# KiCad board k410t-devboard.kicad_pcb (continued)
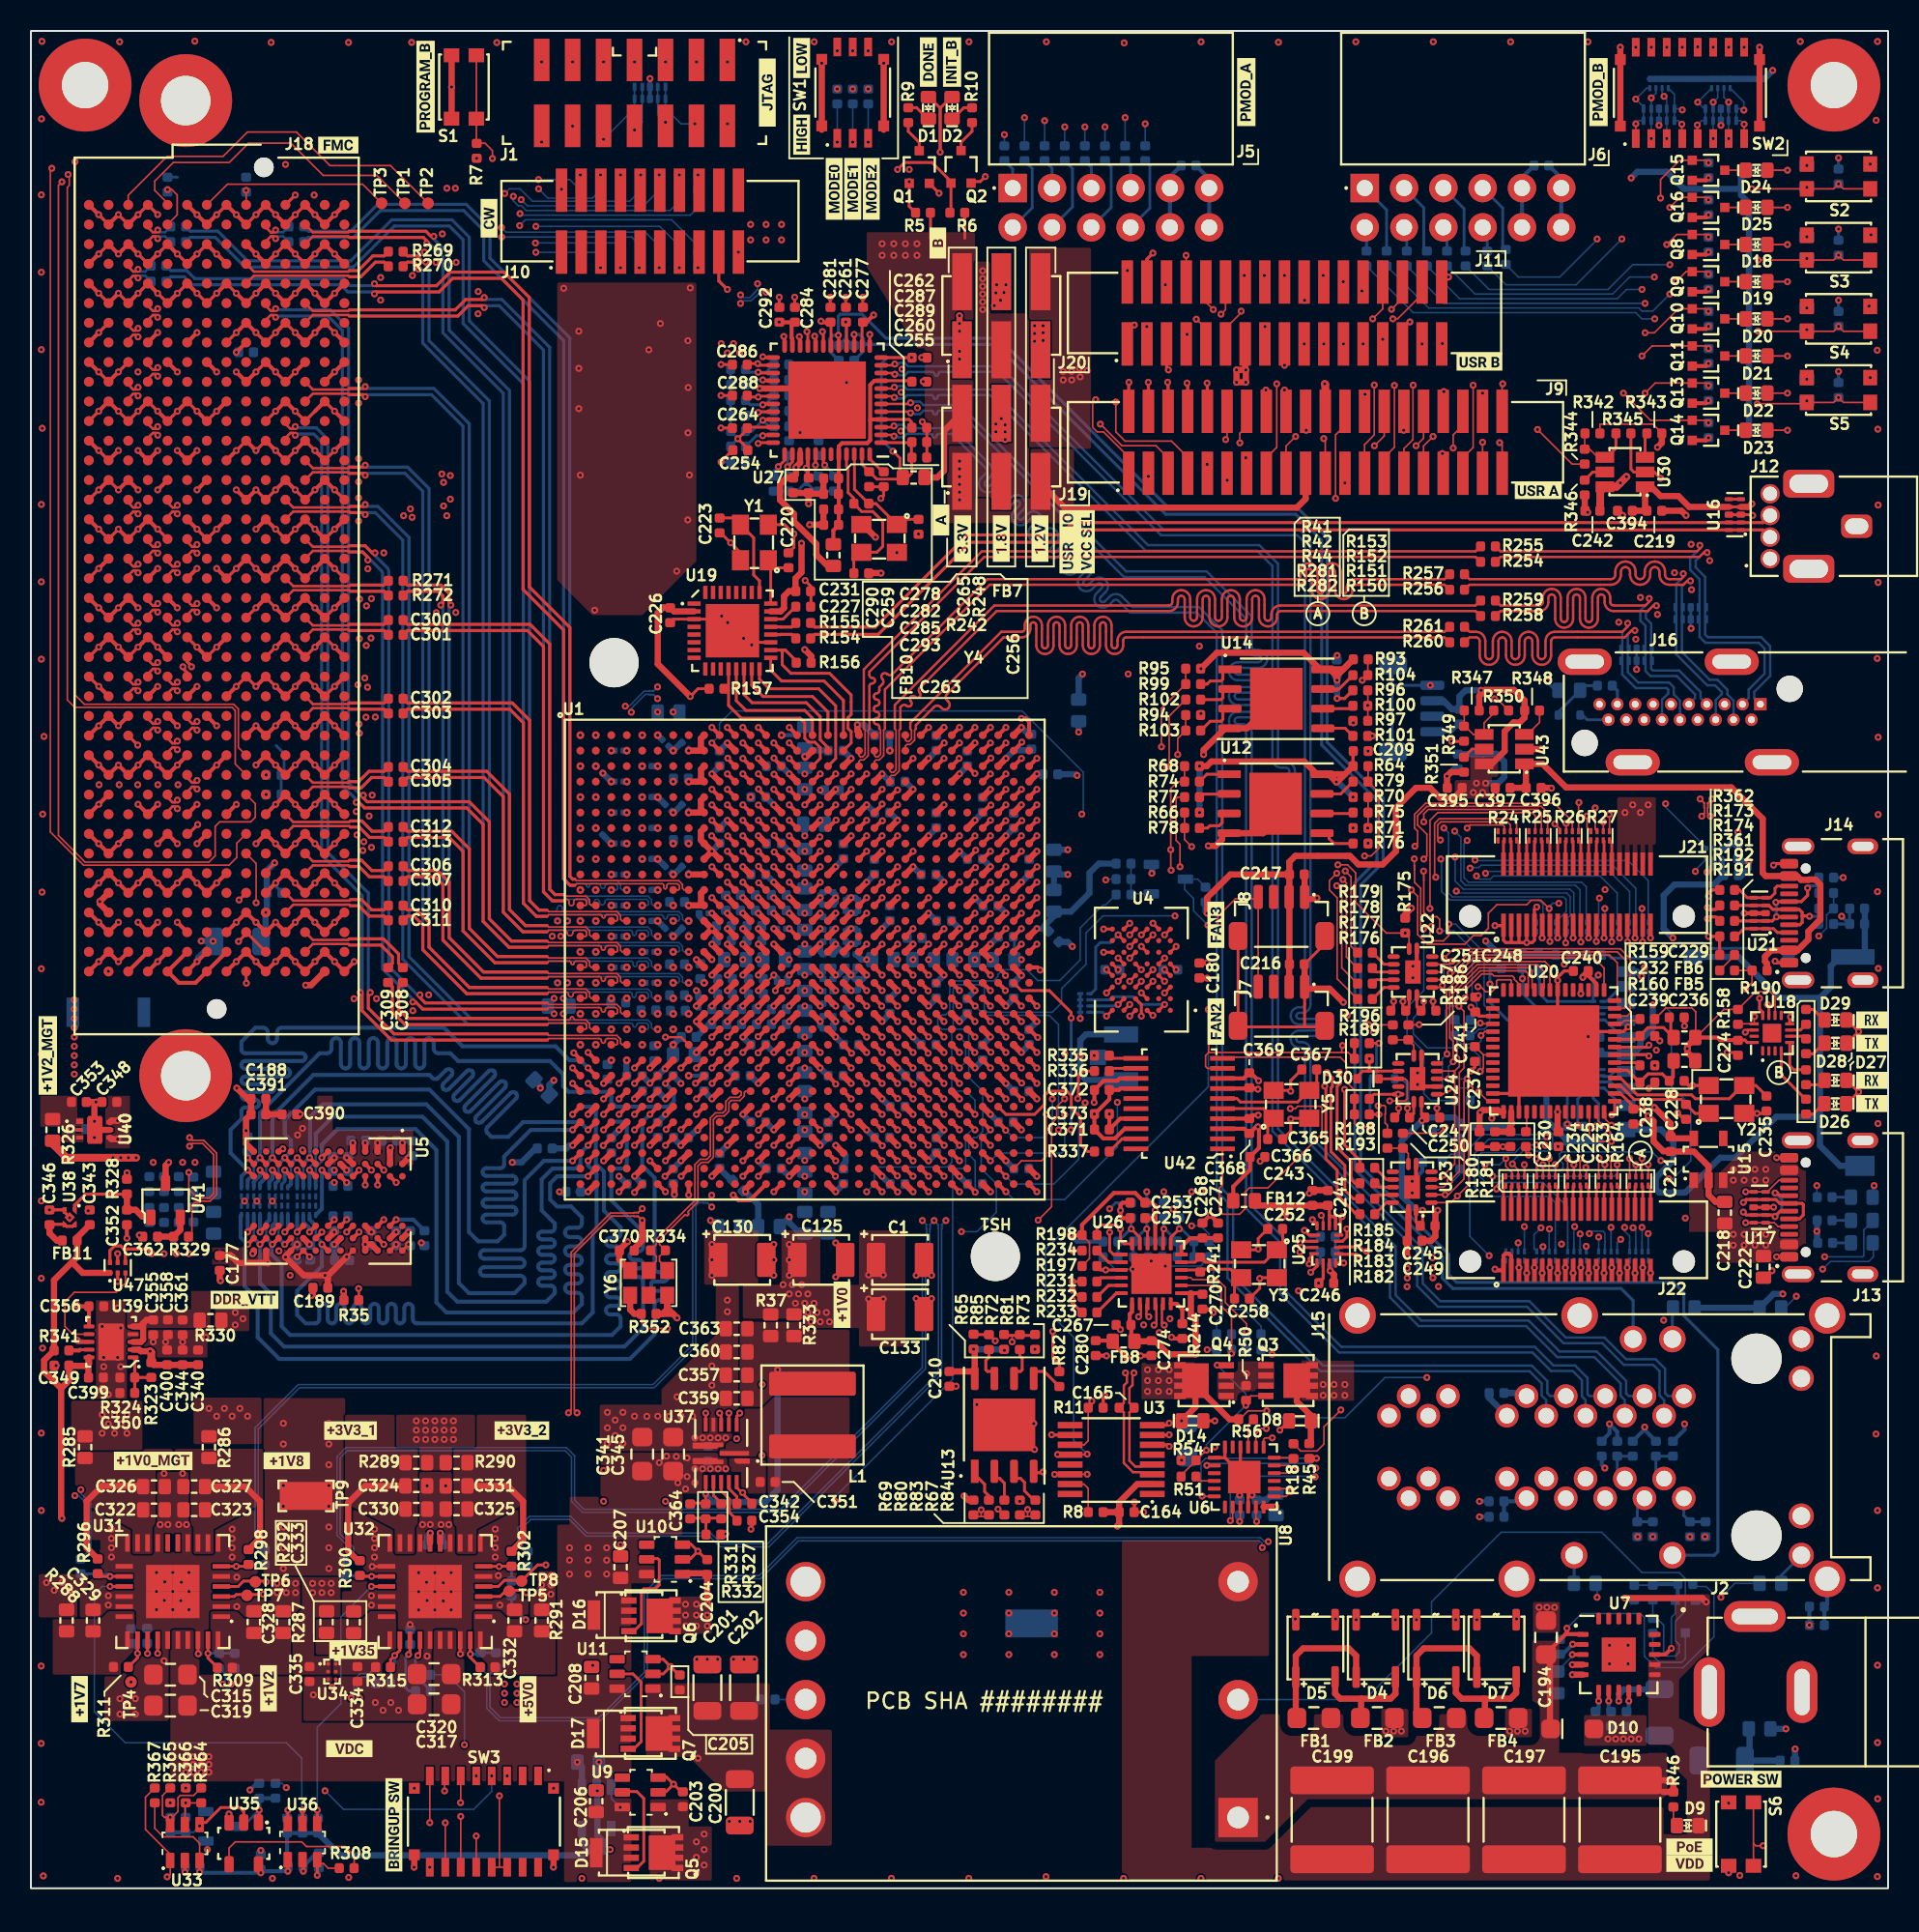
[diagram p0: board, top side]
## Routing (per net, layer and track width the routed paths; a pad name or vN(x,y) marks a point on that pad's centre or on a via; arc(x,y) is an arc through that point) (continued)
/DRAM + SRAM/SRAM.DQ4: length 16.1
  Top w0.184: U4.C6 v1(69.5,57.85)
  Top w0.256: U1.U20 v1(55,58)
  In3.Cu w0.1: v1(69.5,57.85) 68.85,57.85 68.57,58.13 64.53,58.13 64.26,58.4 55.4,58.4 v1(55,58)
/DRAM + SRAM/SRAM.DQ5: length 9.2
  Top w0.184: 70.62,58.97 v1(70.25,58.6)
  Top w0.256: v1(62.97,58.97) 62.97,59.03 U1.T28
  In3.Cu w0.1: v1(70.25,58.6) 69.3,58.6 69,58.9 64.9,58.9 64.3,59.5 63.28,59.5 62.97,59.2 v1(62.97,58.97)
/DRAM + SRAM/SRAM.DQ6: length 8.8
  Top w0.184: 70.62,59.72 v1(70.25,60.1)
  Top w0.256: v1(63,60.97) 62.97,60.97 U1.R28
  In3.Cu w0.1: v1(63,60.97) 63.47,60.5 64.22,60.5 64.62,60.1 v1(70.25,60.1)
/DRAM + SRAM/SRAM.DQ7: length 6.9
  Top w0.184: 69.88,60.47 v1(69.31,60.47)
  Top w0.256: U1.R29 v1(64,61)
  In3.Cu w0.1: v1(69.31,60.47) 69.23,60.39 65.01,60.39 64.4,61 v1(64,61)
/DRAM + SRAM/SRAM.~{CE}: length 11.6
  Top w0.184: 70.62,57.47 v1(70.25,57.1)
  Top w0.256: U1.V27 v1(62,57)
  In5.Cu w0.1: v1(62,57) 62.38,57.38 69.97,57.38 v1(70.25,57.1)
  Bottom w0.184: 68.4,57 70.15,57 v1(70.25,57.1)
/DRAM + SRAM/SRAM.~{OE}: length 26.9
  Top w0.184: U4.A2 v1(73.25,57.1)
  Top w0.256: U1.P26 v1(61,62)
  In3.Cu w0.1: v1(73.25,57.1) 74.38,58.22 74.38,62.91 73.81,63.47 67.81,63.47 67.06,62.72 65.26,62.72 65.13,62.6 62.56,62.6 62.35,62.39 61.39,62.39 v1(61,62)
  Bottom w0.184: 68.4,57.4 69.7,57.4 69.9,57.6 71.2,57.6 71.7,57.1 v1(73.25,57.1)
/DRAM + SRAM/SRAM.~{WE}: length 26.2
  Top w0.184: 70.62,61.22 v1(70.25,61.6)
  Top w0.256: U1.W22 v1(57,56)
  In5.Cu w0.1: v1(70.25,61.6) 70.25,61.97 69.88,62.35 67.25,62.35 65.49,60.59 56.49,60.59 56.38,60.47 56.38,56.62 v1(57,56)
  Bottom w0.184: 68.4,57.8 68.5,57.8 68.8,58.1 68.8,60.8 69.1,61.1 69.75,61.1 v1(70.25,61.6)
/FMC+ HSPC/FMC.CLK_DIR: length 88.6
  Top w0.201: v1(17.08,109.4) J18.B01
  Top w0.256: U1.J19 v1(54,67)
  In7.Cu w0.1: v1(54,67) 54.4,66.6 56,66.6 57.8,68.4 57.8,72.2 58.4,72.8 58.4,77.8 57.8,78.4 57.8,86.5 58.5,87.2 58.5,99.5 54.4,103.6 51.1,103.6 49.5,105.2 49.5,108.5 46.3,111.7 33.5,111.7 32.2,113 20.68,113 v1(17.08,109.4)
/FMC+ HSPC/FMC.IO0: length 38.6
  Top w0.198: v1(10.78,68.72) 10.18,68.12 J18.G33
  Top w0.256: U1.G12 v1(46,69)
  In3.Cu w0.114: v1(10.78,68.72) 21.23,68.72 22,67.95 v1(22,67.25)
  In7.Cu w0.1: v1(22,67.25) 22.83,68.07 43.23,68.07 43.75,68.6 45.6,68.6 v1(46,69)
/FMC+ HSPC/FMC.IO1_N: length 71.3
  Top w0.16: J18.G22 10.1,82.28 10.42,82.6 10.59,82.6 v1(10.73,82.45)
  Top w0.256: U1.K16 v1(51,66)
  In5.Cu w0.1: v1(51,66) 50.6,65.6 49.73,65.6 49.4,65.27 49.4,62.82 49.18,62.6 43.39,62.6 42.89,63.1 33.45,63.1 33.41,63.14
  In5.Cu w0.114: v1(10.73,82.45) 10.6,82.59 10.22,82.59 9.91,82.89 9.91,83.51 10.32,83.92 13.42,83.92 14.05,83.3 14.05,74.85 arc(14.13,74.65) 14.33,74.57 14.86,74.57 arc(15.27,74.4) 15.43,74 arc(15.27,73.6) 14.86,73.43 12.85,73.43 arc(12.65,73.35) 12.56,73.15 arc(12.65,72.95) 12.85,72.87 13.48,72.87 arc(13.88,72.7) 14.05,72.3 14.05,65.64 16.55,63.14 33.41,63.14
/FMC+ HSPC/FMC.IO1_P: length 70.3
  Top w0.16: J18.G21 10.1,83.18 10.42,82.86 10.59,82.86 v1(10.73,83.01)
  Top w0.256: U1.L16 v1(51,65)
  In5.Cu w0.1: 33.41,62.86 33.45,62.9 42.81,62.9 43.31,62.4 49.27,62.4 49.6,62.73 49.6,65.18 49.82,65.4 50.6,65.4 v1(51,65)
  In5.Cu w0.114: 33.41,62.86 16.43,62.86 13.76,65.53 13.76,72.3 arc(13.68,72.5) 13.48,72.58 12.85,72.58 arc(12.44,72.75) 12.28,73.15 arc(12.44,73.55) 12.85,73.72 14.86,73.72 arc(15.06,73.8) 15.15,74 arc(15.06,74.2) 14.86,74.28 14.33,74.28 arc(13.93,74.45) 13.76,74.85 13.76,83.18 13.3,83.64 10.44,83.64 10.19,83.39 10.19,83.01 10.33,82.87 10.6,82.87 v1(10.73,83.01)
/FMC+ HSPC/FMC.IO2_N: length 71
  Top w0.16: J18.G19 10.1,86.09 10.42,86.41 10.59,86.41 v1(10.73,86.26)
  Top w0.256: U1.K15 v1(49,66)
  In5.Cu w0.1: v1(49,66) 48.6,65.6 45.76,65.6 45.4,65.24 45.4,64.82 45.18,64.6 43.44,64.6 42.94,65.1 33.45,65.1 33.41,65.14
  In5.Cu w0.114: v1(10.73,86.26) 10.6,86.4 10.23,86.4 9.93,86.7 9.93,88.03 10.49,88.59 17.31,88.59 17.86,88.04 17.86,65.99 18.16,65.69 20.16,65.69 20.71,65.14 20.94,65.14 arc(21.09,65.2) 21.15,65.35 21.15,65.93 arc(21.29,66.28) 21.64,66.43 arc(21.99,66.28) 22.14,65.93 22.14,65.35 arc(22.2,65.2) 22.34,65.14 arc(22.49,65.2) 22.55,65.35 22.55,65.93 arc(22.69,66.28) 23.04,66.43 arc(23.39,66.28) 23.54,65.93 23.54,65.35 arc(23.6,65.2) 23.74,65.14 33.41,65.14
/FMC+ HSPC/FMC.IO2_P: length 70.9
  Top w0.16: 10.1,87.17 10.1,86.99 10.42,86.67 10.59,86.67 v1(10.73,86.82)
  Top w0.256: U1.L15 v1(49,65)
  In5.Cu w0.1: 33.41,64.86 33.45,64.9 42.86,64.9 43.36,64.4 45.27,64.4 45.6,64.73 45.6,65.16 45.84,65.4 48.6,65.4 v1(49,65)
  In5.Cu w0.114: 33.41,64.86 23.74,64.86 arc(23.39,65) 23.25,65.35 23.25,65.93 arc(23.19,66.08) 23.04,66.14 arc(22.9,66.08) 22.84,65.93 22.84,65.35 arc(22.69,65) 22.34,64.86 arc(21.99,65) 21.85,65.35 21.85,65.93 arc(21.79,66.08) 21.64,66.14 arc(21.5,66.08) 21.44,65.93 21.44,65.35 arc(21.29,65) 20.94,64.86 20.59,64.86 20.04,65.41 18.04,65.41 17.57,65.88 17.57,87.93 17.19,88.31 11.73,88.31 arc(11.59,88.25) 11.53,88.11 11.53,87.87 arc(11.47,87.73) 11.33,87.67 arc(11.19,87.73) 11.13,87.87 11.13,88.11 arc(11.07,88.25) 10.93,88.31 10.61,88.31 10.21,87.91 10.21,86.82 10.35,86.68 10.6,86.68 v1(10.73,86.82)
/FMC+ HSPC/FMC.IO3_N: length 69.5
  Top w0.16: 8.83,84.63 8.83,84.82 9.15,85.14 9.32,85.14 v1(9.46,84.99)
  Top w0.256: U1.L13 47.04,64.96 v1(47.03,64.96)
  In5.Cu w0.1: 33.41,63.86 33.45,63.9 42.81,63.9 43.31,63.4 46.27,63.4 46.6,63.73 46.6,64.6 47,65
  In5.Cu w0.114: v1(9.46,84.99) 9.59,85.13 9.82,85.13 10.44,84.51 15.1,84.51 16.3,83.31 16.3,82.31 arc(16.23,82.15) 16.07,82.08 14.98,82.08 arc(14.61,81.93) 14.46,81.56 arc(14.61,81.19) 14.98,81.04 16.07,81.04 arc(16.23,80.98) 16.3,80.81 16.3,79.79 arc(16.23,79.62) 16.07,79.56 14.98,79.56 arc(14.61,79.41) 14.46,79.04 arc(14.61,78.67) 14.98,78.52 16.07,78.52 arc(16.23,78.45) 16.3,78.29 16.3,77.29 arc(16.23,77.12) 16.07,77.06 15.1,77.06 arc(14.73,76.91) 14.58,76.54 arc(14.73,76.17) 15.1,76.02 16.07,76.02 arc(16.23,75.95) 16.3,75.79 16.3,64.38 16.83,63.86 33.41,63.86
/FMC+ HSPC/FMC.IO3_P: length 69.4
  Top w0.16: 8.83,85.9 8.83,85.72 9.15,85.4 9.32,85.4 v1(9.46,85.55)
  Top w0.256: U1.L12 v1(46,65)
  In5.Cu w0.1: 33.41,64.14 33.45,64.1 42.89,64.1 43.39,63.6 46.18,63.6 46.4,63.82 46.4,64.6 v1(46,65)
  In5.Cu w0.114: 33.41,64.14 16.95,64.14 16.59,64.5 16.59,75.79 arc(16.44,76.16) 16.07,76.31 15.1,76.31 arc(14.93,76.37) 14.86,76.54 arc(14.93,76.7) 15.1,76.77 16.07,76.77 arc(16.44,76.92) 16.59,77.29 16.59,78.29 arc(16.44,78.66) 16.07,78.81 14.98,78.81 arc(14.81,78.87) 14.75,79.04 arc(14.81,79.2) 14.98,79.27 16.07,79.27 arc(16.44,79.42) 16.59,79.79 16.59,80.81 arc(16.44,81.18) 16.07,81.33 14.98,81.33 arc(14.81,81.4) 14.75,81.56 arc(14.81,81.73) 14.98,81.79 16.07,81.79 arc(16.44,81.94) 16.59,82.31 16.59,83.42 15.22,84.79 11.65,84.79 arc(11.56,84.83) 11.52,84.92 arc(11.48,85.01) 11.4,85.04 arc(11.31,85.01) 11.27,84.92 arc(11.23,84.83) 11.15,84.79 10.56,84.79 9.94,85.41 9.59,85.41 v1(9.46,85.55)
/FMC+ HSPC/FMC.IO4_N: length 70.5
  Top w0.16: v1(9.46,88.8) 9.32,88.95 9.15,88.95 8.83,88.63 8.83,88.44
  Top w0.256: U1.J13 v1(47,67)
  In5.Cu w0.1: v1(47,67) 47.42,66.58 48.22,66.58 48.4,66.76 48.4,71.16 48.16,71.4 47.76,71.4 47.4,71.76 47.4,76.55 47.36,76.59
  In5.Cu w0.114: 47.36,76.59 47.36,78.42 32.69,93.09 30.37,93.09 arc(30.02,93.23) 29.88,93.58 29.88,93.9 arc(29.82,94.04) 29.67,94.1 arc(29.53,94.04) 29.47,93.9 29.47,93.58 arc(29.32,93.23) 28.97,93.09 arc(28.62,93.23) 28.48,93.58 28.48,93.9 arc(28.42,94.04) 28.27,94.1 arc(28.13,94.04) 28.07,93.9 28.07,93.58 arc(27.92,93.23) 27.57,93.09 arc(27.22,93.23) 27.08,93.58 27.08,93.9 arc(27.02,94.04) 26.87,94.1 arc(26.73,94.04) 26.67,93.9 26.67,93.58 arc(26.52,93.23) 26.17,93.09 arc(25.82,93.23) 25.68,93.58 25.68,93.9 arc(25.62,94.04) 25.47,94.1 arc(25.33,94.04) 25.27,93.9 25.27,93.58 arc(25.12,93.23) 24.77,93.09 arc(24.42,93.23) 24.28,93.58 24.28,93.9 arc(24.22,94.04) 24.07,94.1 arc(23.93,94.04) 23.87,93.9 23.87,93.58 arc(23.72,93.23) 23.37,93.09 arc(23.02,93.23) 22.88,93.58 22.88,93.9 arc(22.82,94.04) 22.67,94.1 arc(22.53,94.04) 22.47,93.9 22.47,93.58 arc(22.32,93.23) 21.97,93.09 21.09,93.09 18.86,90.86 12.79,90.86 11.75,89.82 arc(11.7,89.7) 11.75,89.57 11.77,89.56 arc(11.82,89.43) 11.77,89.31 arc(11.64,89.26) 11.52,89.31 11.51,89.33 arc(11.38,89.38) 11.26,89.33 10.87,88.94 9.59,88.94 v1(9.46,88.8)
/FMC+ HSPC/FMC.IO4_P: length 70.8
  Top w0.16: v1(9.46,89.36) 9.32,89.21 9.15,89.21 8.83,89.53 8.83,89.71
  Top w0.256: v1(47.02,66.02) 47.02,65.98 U1.K13
  In5.Cu w0.1: 47,66 47.38,66.38 48.3,66.38 48.6,66.68 48.6,71.24 48.24,71.6 47.84,71.6 47.6,71.84 47.6,76.55 47.64,76.59
  In5.Cu w0.114: 47.64,76.59 47.64,78.53 32.8,93.37 30.37,93.37 arc(30.23,93.43) 30.17,93.58 30.17,93.9 arc(30.02,94.25) 29.67,94.39 arc(29.32,94.25) 29.18,93.9 29.18,93.58 arc(29.12,93.43) 28.97,93.37 arc(28.83,93.43) 28.77,93.58 28.77,93.9 arc(28.62,94.25) 28.27,94.39 arc(27.92,94.25) 27.78,93.9 27.78,93.58 arc(27.72,93.43) 27.57,93.37 arc(27.43,93.43) 27.37,93.58 27.37,93.9 arc(27.22,94.25) 26.87,94.39 arc(26.52,94.25) 26.38,93.9 26.38,93.58 arc(26.32,93.43) 26.17,93.37 arc(26.03,93.43) 25.97,93.58 25.97,93.9 arc(25.82,94.25) 25.47,94.39 arc(25.12,94.25) 24.98,93.9 24.98,93.58 arc(24.92,93.43) 24.77,93.37 arc(24.63,93.43) 24.57,93.58 24.57,93.9 arc(24.42,94.25) 24.07,94.39 arc(23.72,94.25) 23.58,93.9 23.58,93.58 arc(23.52,93.43) 23.37,93.37 arc(23.23,93.43) 23.17,93.58 23.17,93.9 arc(23.02,94.25) 22.67,94.39 arc(22.32,94.25) 22.18,93.9 22.18,93.58 arc(22.12,93.43) 21.97,93.37 20.97,93.37 18.74,91.14 12.67,91.14 10.75,89.22 9.59,89.22 v1(9.46,89.36)
/FMC+ HSPC/FMC.IO5_N: length 70.3
  Top w0.16: v1(8.19,86.26) 8.05,86.41 7.88,86.41 7.56,86.09 7.56,85.9
  Top w0.256: U1.J14 48.04,66.95 v1(48.03,66.95)
  In7.Cu w0.1: 33.41,67.14 33.45,67.1 43.16,67.1 43.66,67.6 46.27,67.6 46.6,67.27 46.6,66.82 46.82,66.6 47.6,66.6 48,67
  In7.Cu w0.114: 33.41,67.14 23.29,67.14 22.59,66.44 19.46,66.44 19.13,66.77 19.13,88.02 18.56,88.59 13.8,88.59 arc(13.47,88.46) 13.34,88.13 13.34,87.98 arc(13.29,87.86) 13.16,87.81 13.15,87.81 arc(13.03,87.86) 12.98,87.98 12.98,88.45 12.97,88.45 12.97,88.92 arc(12.84,89.24) 12.51,89.38 12.5,89.38 arc(12.17,89.24) 12.03,88.92 12.03,88.77 arc(11.98,88.65) 11.86,88.59 9.94,88.59 9.7,88.35 8.7,88.35 8.46,88.59 7.94,88.59 7.4,88.05 7.4,86.75 7.75,86.4 8.06,86.4 v1(8.19,86.26)
/FMC+ HSPC/FMC.IO5_P: length 70.6
  Top w0.16: v1(8.19,86.82) 8.05,86.67 7.88,86.67 7.56,86.99 7.56,87.17
  Top w0.256: U1.K14 v1(48,66)
  In7.Cu w0.1: v1(48,66) 47.6,66.4 46.73,66.4 46.4,66.73 46.4,67.18 46.18,67.4 43.74,67.4 43.24,66.9 33.45,66.9 33.41,66.86
  In7.Cu w0.114: 33.41,66.86 23.41,66.86 22.71,66.16 19.34,66.16 18.84,66.66 18.84,87.91 18.44,88.31 13.8,88.31 arc(13.68,88.25) 13.63,88.13 13.63,87.98 arc(13.49,87.66) 13.16,87.52 13.15,87.52 arc(12.82,87.66) 12.69,87.98 12.69,88.45 12.68,88.45 12.68,88.92 arc(12.63,89.04) 12.51,89.09 12.5,89.09 arc(12.37,89.04) 12.32,88.92 12.32,88.77 arc(12.19,88.44) 11.86,88.31 10.06,88.31 9.82,88.06 9.68,88.06 arc(9.49,87.98) 9.41,87.79 9.41,87.5 arc(9.33,87.3) 9.13,87.22 arc(8.94,87.3) 8.86,87.5 8.86,87.79 arc(8.78,87.98) 8.58,88.06 8.34,88.31 8.06,88.31 7.68,87.93 7.68,86.87 7.87,86.68 8.06,86.68 v1(8.19,86.82)
/FMC+ HSPC/FMC.IO6_N: length 66.3
  Top w0.198: J18.G25 10.1,78.54 9.82,78.82 v1(9.82,78.92)
  Top w0.256: U1.K11 v1(45,66)
  In7.Cu w0.1: v1(45,66) 44.6,65.6 43.68,65.6 43.18,66.1 33.45,66.1 33.41,66.14
  In7.Cu w0.114: v1(9.82,78.92) 9.95,79.05 9.95,79.38 10.27,79.7 13.58,79.7 14.02,79.26 14.02,77.32 arc(14.07,77.19) 14.2,77.14 14.69,77.14 arc(15.02,77) 15.16,76.67 arc(15.02,76.34) 14.69,76.2 13.06,76.2 arc(12.93,76.15) 12.87,76.02 arc(12.93,75.89) 13.06,75.84 13.55,75.84 arc(13.88,75.7) 14.02,75.37 14.02,74.78 arc(14.08,74.64) 14.22,74.58 14.97,74.58 arc(15.32,74.43) 15.46,74.08 arc(15.32,73.73) 14.97,73.59 14.22,73.59 arc(14.08,73.53) 14.02,73.38 14.02,69.62 arc(14.08,69.47) 14.22,69.41 16.52,69.41 arc(16.87,69.27) 17.01,68.92 arc(16.87,68.57) 16.52,68.42 14.22,68.42 arc(14.08,68.36) 14.02,68.22 14.02,66.54 14.81,65.74 16.06,65.74 arc(16.18,65.8) 16.24,65.92 16.24,66.55 arc(16.38,66.88) 16.71,67.02 arc(17.04,66.88) 17.18,66.55 17.18,65.92 arc(17.23,65.8) 17.36,65.74 arc(17.48,65.8) 17.54,65.92 17.54,66.55 arc(17.68,66.88) 18.01,67.02 arc(18.34,66.88) 18.48,66.55 18.48,65.92 arc(18.53,65.8) 18.66,65.74 23.29,65.74 23.69,66.14 33.41,66.14
/FMC+ HSPC/FMC.IO6_P: length 67.1
  Top w0.198: J18.G24 10.1,79.24 10.37,78.97 v1(10.37,78.92)
  Top w0.256: U1.L11 v1(45,65)
  In7.Cu w0.1: v1(45,65) 44.6,65.4 43.59,65.4 43.09,65.9 33.45,65.9 33.41,65.86
  In7.Cu w0.114: 33.41,65.86 23.81,65.86 23.41,65.46 18.66,65.46 arc(18.33,65.59) 18.19,65.92 18.19,66.55 arc(18.13,66.68) 18.01,66.73 arc(17.88,66.68) 17.83,66.55 17.83,65.92 arc(17.69,65.59) 17.36,65.46 arc(17.03,65.59) 16.89,65.92 16.89,66.55 arc(16.83,66.68) 16.71,66.73 arc(16.58,66.68) 16.53,66.55 16.53,65.92 arc(16.39,65.59) 16.06,65.46 14.69,65.46 13.73,66.42 13.73,68.22 arc(13.88,68.57) 14.22,68.71 16.52,68.71 arc(16.66,68.77) 16.72,68.92 arc(16.66,69.06) 16.52,69.12 14.22,69.12 arc(13.88,69.27) 13.73,69.62 13.73,73.38 arc(13.88,73.73) 14.22,73.88 14.97,73.88 arc(15.11,73.94) 15.17,74.08 arc(15.11,74.23) 14.97,74.29 14.22,74.29 arc(13.88,74.43) 13.73,74.78 13.73,75.37 arc(13.68,75.5) 13.55,75.55 13.06,75.55 arc(12.72,75.69) 12.59,76.02 arc(12.72,76.35) 13.06,76.49 14.69,76.49 arc(14.82,76.54) 14.87,76.67 arc(14.82,76.8) 14.69,76.85 14.2,76.85 arc(13.87,76.99) 13.73,77.32 13.73,79.15 13.47,79.41 12.1,79.41 arc(11.89,79.32) 11.8,79.11 11.8,78.83 arc(11.71,78.61) 11.5,78.53 arc(11.29,78.61) 11.2,78.83 11.2,79.11 arc(11.11,79.32) 10.9,79.41 10.39,79.41 10.24,79.26 10.24,79.05 v1(10.37,78.92)
/FMC+ HSPC/FMC.IO7_N: length 72.8
  Top w0.16: v1(9.46,73.56) 9.32,73.71 9.15,73.71 8.83,73.39 8.83,73.2
  Top w0.256: U1.G15 v1(49,69)
  In5.Cu w0.1: v1(49,69) 49.4,68.6 53.24,68.6 53.6,68.24 53.6,60.76 53.24,60.4 43.26,60.4 42.76,60.9 33.45,60.9 33.41,60.86
  In5.Cu w0.114: v1(9.46,73.56) 9.59,73.7 10.28,73.7 10.62,73.36 10.62,72.75 9.96,72.09 9.96,66.86 arc(9.9,66.71) 9.75,66.65 9.31,66.65 arc(8.96,66.51) 8.82,66.16 arc(8.96,65.81) 9.31,65.66 9.75,65.66 arc(9.9,65.6) 9.96,65.46 9.96,63.54 13.14,60.36 32,60.36 32.49,60.86 33.41,60.86
/FMC+ HSPC/FMC.IO7_P: length 72.7
  Top w0.16: 8.83,74.47 8.83,74.29 9.15,73.97 9.32,73.97 v1(9.46,74.12)
  Top w0.256: U1.H15 v1(49,68)
  In5.Cu w0.1: 33.41,61.14 33.45,61.1 42.84,61.1 43.34,60.6 53.16,60.6 53.4,60.84 53.4,68.16 53.16,68.4 49.4,68.4 v1(49,68)
  In5.Cu w0.114: 33.41,61.14 32.37,61.14 31.88,60.65 13.25,60.65 10.24,63.66 10.24,65.46 arc(10.1,65.81) 9.75,65.95 9.31,65.95 arc(9.17,66.01) 9.11,66.16 arc(9.17,66.3) 9.31,66.36 9.75,66.36 arc(10.1,66.51) 10.24,66.86 10.24,71.97 10.9,72.63 10.9,73.47 10.81,73.57 arc(10.77,73.67) 10.81,73.76 10.89,73.85 arc(10.93,73.94) 10.89,74.03 arc(10.8,74.07) 10.71,74.03 10.62,73.95 arc(10.53,73.91) 10.43,73.95 10.39,73.98 9.59,73.98 v1(9.46,74.12)
/FMC+ HSPC/FMC.IO8_N: length 68
  Top w0.16: v1(10.73,74.83) 10.59,74.98 10.42,74.98 10.1,74.66 J18.G28
  Top w0.256: U1.J12 v1(46,67)
  In7.Cu w0.1: 33.44,64.86 33.48,64.9 43.12,64.9 43.62,64.39 45.27,64.39 45.6,64.73 45.6,66.6 v1(46,67)
  In7.Cu w0.114: 33.44,64.86 32.27,64.86 31.58,64.17 24.94,64.17 arc(24.81,64.12) 24.76,63.99 24.76,63.51 arc(24.62,63.18) 24.29,63.05 arc(23.96,63.18) 23.82,63.51 23.82,63.99 arc(23.77,64.12) 23.64,64.17 arc(23.51,64.12) 23.46,63.99 23.46,63.51 arc(23.32,63.18) 22.99,63.05 arc(22.66,63.18) 22.52,63.51 22.52,63.99 arc(22.47,64.12) 22.34,64.17 arc(22.21,64.12) 22.16,63.99 22.16,63.51 arc(22.02,63.18) 21.69,63.05 arc(21.36,63.18) 21.22,63.51 21.22,63.99 arc(21.17,64.12) 21.04,64.17 arc(20.91,64.12) 20.86,63.99 20.86,63.51 arc(20.72,63.18) 20.39,63.05 arc(20.06,63.18) 19.92,63.51 19.92,63.99 arc(19.87,64.12) 19.74,64.17 arc(19.61,64.12) 19.56,63.99 19.56,63.51 arc(19.42,63.18) 19.09,63.05 arc(18.76,63.18) 18.62,63.51 18.62,63.99 arc(18.57,64.12) 18.44,64.17 arc(18.31,64.12) 18.26,63.99 18.26,63.51 arc(18.12,63.18) 17.79,63.05 arc(17.46,63.18) 17.32,63.51 17.32,63.99 arc(17.27,64.12) 17.14,64.17 arc(17.01,64.12) 16.96,63.99 16.96,63.51 arc(16.82,63.18) 16.49,63.05 arc(16.16,63.18) 16.02,63.51 16.02,63.99 arc(15.97,64.12) 15.84,64.17 13.85,64.17 12.49,65.53 12.49,68.18 arc(12.44,68.31) 12.31,68.36 11.67,68.36 arc(11.34,68.5) 11.2,68.83 arc(11.34,69.16) 11.67,69.3 12.31,69.3 arc(12.44,69.35) 12.49,69.48 arc(12.44,69.61) 12.31,69.66 11.62,69.66 arc(11.29,69.8) 11.15,70.13 arc(11.29,70.46) 11.62,70.6 12.31,70.6 arc(12.44,70.65) 12.49,70.78 arc(12.44,70.91) 12.31,70.96 11.62,70.96 arc(11.29,71.1) 11.15,71.43 arc(11.29,71.76) 11.62,71.9 12.31,71.9 arc(12.44,71.95) 12.49,72.08 12.49,73.61 12.11,73.98 arc(11.92,74.06) 11.73,73.98 11.64,73.9 arc(11.45,73.82) 11.25,73.9 arc(11.17,74.09) 11.25,74.28 11.34,74.37 arc(11.42,74.57) 11.34,74.76 11.13,74.97 10.86,74.97 v1(10.73,74.83)
/FMC+ HSPC/FMC.IO8_P: length 66.8
  Top w0.16: 10.1,75.74 10.1,75.56 10.42,75.24 10.59,75.24 v1(10.73,75.39)
  Top w0.256: U1.J11 v1(45,67)
  In7.Cu w0.1: 33.44,65.15 33.49,65.1 43.2,65.1 43.71,64.59 45.18,64.59 45.4,64.81 45.4,66.6 v1(45,67)
  In7.Cu w0.114: v1(10.73,75.39) 10.86,75.25 11.25,75.25 12.78,73.72 12.78,72.08 arc(12.64,71.75) 12.31,71.61 11.62,71.61 arc(11.49,71.56) 11.44,71.43 arc(11.49,71.3) 11.62,71.25 12.31,71.25 arc(12.64,71.11) 12.78,70.78 arc(12.64,70.45) 12.31,70.31 11.62,70.31 arc(11.49,70.26) 11.44,70.13 arc(11.49,70) 11.62,69.95 12.31,69.95 arc(12.64,69.81) 12.78,69.48 arc(12.64,69.15) 12.31,69.01 11.67,69.01 arc(11.54,68.96) 11.49,68.83 arc(11.54,68.7) 11.67,68.65 12.31,68.65 arc(12.64,68.51) 12.78,68.18 12.78,65.64 13.96,64.46 15.84,64.46 arc(16.17,64.32) 16.31,63.99 16.31,63.51 arc(16.36,63.39) 16.49,63.33 arc(16.62,63.39) 16.67,63.51 16.67,63.99 arc(16.81,64.32) 17.14,64.46 arc(17.47,64.32) 17.61,63.99 17.61,63.51 arc(17.66,63.39) 17.79,63.33 arc(17.92,63.39) 17.97,63.51 17.97,63.99 arc(18.11,64.32) 18.44,64.46 arc(18.77,64.32) 18.91,63.99 18.91,63.51 arc(18.96,63.39) 19.09,63.33 arc(19.22,63.39) 19.27,63.51 19.27,63.99 arc(19.41,64.32) 19.74,64.46 arc(20.07,64.32) 20.21,63.99 20.21,63.51 arc(20.26,63.39) 20.39,63.33 arc(20.52,63.39) 20.57,63.51 20.57,63.99 arc(20.71,64.32) 21.04,64.46 arc(21.37,64.32) 21.51,63.99 21.51,63.51 arc(21.56,63.39) 21.69,63.33 arc(21.82,63.39) 21.87,63.51 21.87,63.99 arc(22.01,64.32) 22.34,64.46 arc(22.67,64.32) 22.81,63.99 22.81,63.51 arc(22.86,63.39) 22.99,63.33 arc(23.12,63.39) 23.17,63.51 23.17,63.99 arc(23.31,64.32) 23.64,64.46 arc(23.97,64.32) 24.11,63.99 24.11,63.51 arc(24.16,63.39) 24.29,63.33 arc(24.42,63.39) 24.47,63.51 24.47,63.99 arc(24.61,64.32) 24.94,64.46 31.46,64.46 32.15,65.15 33.44,65.15
/FMC+ HSPC/FMC.IO9_N: length 69.9
  Top w0.16: v1(10.73,71.02) 10.59,71.17 10.42,71.17 10.1,70.85 10.1,70.66
  Top w0.256: U1.H16 50.93,67.93 v1(50.98,67.93)
  In5.Cu w0.1: 33.41,61.86 33.45,61.9 42.83,61.9 43.33,61.4 52.34,61.4 52.6,61.66 52.6,67.27 52.27,67.6 51.4,67.6 51,68
  In5.Cu w0.114: 33.41,61.86 31.08,61.86 30.86,61.63 13.02,61.63 12.49,62.16 12.49,63.19 arc(12.43,63.34) 12.29,63.4 11.47,63.4 arc(11.12,63.54) 10.98,63.89 arc(11.12,64.24) 11.47,64.38 12.29,64.38 arc(12.43,64.45) 12.49,64.59 12.49,65.49 arc(12.42,65.66) 12.26,65.72 11.27,65.72 arc(10.9,65.87) 10.75,66.24 arc(10.9,66.61) 11.27,66.76 12.26,66.76 arc(12.42,66.83) 12.49,66.99 12.49,67.71 arc(12.43,67.85) 12.29,67.91 11.64,67.91 arc(11.29,68.06) 11.15,68.41 arc(11.29,68.76) 11.64,68.9 12.29,68.9 arc(12.43,68.96) 12.49,69.11 arc(12.43,69.25) 12.29,69.31 11.64,69.31 arc(11.29,69.46) 11.15,69.81 arc(11.29,70.16) 11.64,70.3 12.29,70.3 arc(12.43,70.36) 12.49,70.51 12.49,70.74 12.08,71.16 10.86,71.16 v1(10.73,71.02)
/FMC+ HSPC/FMC.IO9_P: length 70
  Top w0.16: J18.G30 10.1,71.75 10.42,71.43 10.59,71.43 v1(10.73,71.58)
  Top w0.256: U1.J16 v1(51,67)
  In5.Cu w0.1: v1(51,67) 51.4,67.4 52.18,67.4 52.4,67.18 52.4,61.74 52.26,61.6 43.42,61.6 42.92,62.1 33.45,62.1 33.41,62.14
  In5.Cu w0.114: v1(10.73,71.58) 10.86,71.44 11.17,71.44 arc(11.26,71.48) 11.3,71.58 11.3,71.77 arc(11.34,71.87) 11.43,71.91 arc(11.52,71.87) 11.56,71.77 11.56,71.58 arc(11.6,71.48) 11.7,71.44 12.19,71.44 12.78,70.86 12.78,70.51 arc(12.63,70.16) 12.29,70.01 11.64,70.01 arc(11.5,69.95) 11.44,69.81 arc(11.5,69.66) 11.64,69.6 12.29,69.6 arc(12.63,69.46) 12.78,69.11 arc(12.63,68.76) 12.29,68.61 11.64,68.61 arc(11.5,68.55) 11.44,68.41 arc(11.5,68.26) 11.64,68.2 12.29,68.2 arc(12.63,68.06) 12.78,67.71 12.78,66.99 arc(12.63,66.62) 12.26,66.47 11.27,66.47 arc(11.1,66.41) 11.04,66.24 arc(11.1,66.08) 11.27,66.01 12.26,66.01 arc(12.63,65.86) 12.78,65.49 12.78,64.59 arc(12.63,64.24) 12.29,64.1 11.47,64.1 arc(11.32,64.04) 11.26,63.89 arc(11.32,63.75) 11.47,63.68 12.29,63.68 arc(12.63,63.54) 12.78,63.19 12.78,62.27 13.13,61.92 30.74,61.92 30.96,62.14 33.41,62.14
/FMC+ HSPC/FMC.IO10_N: length 68.4
  Top w0.16: v1(9.46,77.37) 9.32,77.52 9.15,77.52 8.83,77.2 8.83,77.01
  Top w0.256: U1.H12 v1(46,68)
  In3.Cu w0.114: v1(21.2,75.22) 21.2,75.46 20.16,76.51 20.16,77.74 19.75,78.15 10.54,78.15 9.9,77.51 9.59,77.51 v1(9.46,77.37)
  In5.Cu w0.1: v1(46,68) 45.6,67.6 45.6,66.73 45.27,66.4 43.53,66.4 43.03,66.9 33.45,66.9 33.41,66.86
  In5.Cu w0.114: v1(21.2,75.22) 21.44,75.22 22.56,74.11 22.56,73.94 arc(22.5,73.82) 22.38,73.76 21.88,73.76 arc(21.55,73.62) 21.41,73.29 arc(21.55,72.96) 21.88,72.82 22.38,72.82 arc(22.5,72.77) 22.56,72.64 arc(22.5,72.52) 22.38,72.46 21.88,72.46 arc(21.55,72.32) 21.41,71.99 arc(21.55,71.66) 21.88,71.52 22.38,71.52 arc(22.5,71.47) 22.56,71.34 22.56,67.26 22.96,66.86 23.66,66.86 arc(23.78,66.8) 23.84,66.67 23.84,65.95 arc(23.98,65.62) 24.31,65.48 arc(24.64,65.62) 24.78,65.95 24.78,66.67 arc(24.83,66.8) 24.96,66.86 arc(25.08,66.8) 25.14,66.67 25.14,65.95 arc(25.28,65.62) 25.61,65.48 arc(25.94,65.62) 26.08,65.95 26.08,66.67 arc(26.13,66.8) 26.26,66.86 arc(26.38,66.8) 26.44,66.67 26.44,65.95 arc(26.58,65.62) 26.91,65.48 arc(27.24,65.62) 27.38,65.95 27.38,66.67 arc(27.43,66.8) 27.56,66.86 arc(27.68,66.8) 27.74,66.67 27.74,65.95 arc(27.88,65.62) 28.21,65.48 arc(28.54,65.62) 28.68,65.95 28.68,66.67 arc(28.73,66.8) 28.86,66.86 arc(28.98,66.8) 29.04,66.67 29.04,65.95 arc(29.18,65.62) 29.51,65.48 arc(29.84,65.62) 29.98,65.95 29.98,66.67 arc(30.03,66.8) 30.16,66.86 arc(30.28,66.8) 30.34,66.67 30.34,65.95 arc(30.48,65.62) 30.81,65.48 arc(31.14,65.62) 31.28,65.95 31.28,66.67 arc(31.33,66.8) 31.46,66.86 arc(31.58,66.8) 31.64,66.67 31.64,65.95 arc(31.78,65.62) 32.11,65.48 arc(32.44,65.62) 32.58,65.95 32.58,66.67 arc(32.63,66.8) 32.76,66.86 33.41,66.86
/FMC+ HSPC/FMC.IO10_P: length 68.6
  Top w0.16: 8.83,78.28 8.83,78.1 9.15,77.78 9.32,77.78 v1(9.46,77.93)
  Top w0.256: U1.H11 45.03,67.97 v1(45.03,67.99)
  In3.Cu w0.114: v1(21.65,75.66) 21.41,75.66 20.44,76.62 20.44,77.86 19.87,78.43 11.51,78.43 arc(11.38,78.48) 11.33,78.61 11.33,78.7 arc(11.28,78.82) 11.16,78.88 arc(11.03,78.82) 10.98,78.7 10.98,78.61 arc(10.93,78.48) 10.81,78.43 10.42,78.43 9.78,77.79 9.59,77.79 v1(9.46,77.93)
  In5.Cu w0.1: 33.41,67.14 33.45,67.1 43.12,67.1 43.62,66.6 45.18,66.6 45.4,66.82 45.4,67.6 45,68
  In5.Cu w0.114: v1(21.65,75.66) 21.65,75.42 22.84,74.22 22.84,73.94 arc(22.71,73.61) 22.38,73.47 21.88,73.47 arc(21.75,73.42) 21.7,73.29 arc(21.75,73.17) 21.88,73.11 22.38,73.11 arc(22.71,72.97) 22.84,72.64 arc(22.71,72.31) 22.38,72.17 21.88,72.17 arc(21.75,72.12) 21.7,71.99 arc(21.75,71.87) 21.88,71.81 22.38,71.81 arc(22.71,71.67) 22.84,71.34 22.84,67.37 23.07,67.14 23.66,67.14 arc(23.99,67.01) 24.13,66.67 24.13,65.95 arc(24.18,65.82) 24.31,65.77 arc(24.43,65.82) 24.49,65.95 24.49,66.67 arc(24.63,67.01) 24.96,67.14 arc(25.29,67.01) 25.43,66.67 25.43,65.95 arc(25.48,65.82) 25.61,65.77 arc(25.73,65.82) 25.79,65.95 25.79,66.67 arc(25.93,67.01) 26.26,67.14 arc(26.59,67.01) 26.73,66.67 26.73,65.95 arc(26.78,65.82) 26.91,65.77 arc(27.03,65.82) 27.09,65.95 27.09,66.67 arc(27.23,67.01) 27.56,67.14 arc(27.89,67.01) 28.03,66.67 28.03,65.95 arc(28.08,65.82) 28.21,65.77 arc(28.33,65.82) 28.39,65.95 28.39,66.67 arc(28.53,67.01) 28.86,67.14 arc(29.19,67.01) 29.33,66.67 29.33,65.95 arc(29.38,65.82) 29.51,65.77 arc(29.63,65.82) 29.69,65.95 29.69,66.67 arc(29.83,67.01) 30.16,67.14 arc(30.49,67.01) 30.63,66.67 30.63,65.95 arc(30.68,65.82) 30.81,65.77 arc(30.93,65.82) 30.99,65.95 30.99,66.67 arc(31.13,67.01) 31.46,67.14 arc(31.79,67.01) 31.93,66.67 31.93,65.95 arc(31.98,65.82) 32.11,65.77 arc(32.23,65.82) 32.29,65.95 32.29,66.67 arc(32.43,67.01) 32.76,67.14 33.41,67.14
/FMC+ HSPC/FMC.IO11_N: length 70.4
  Top w0.16: J18.K23 6.29,81.01 6.61,81.33 6.78,81.33 v1(6.92,81.18)
  Top w0.256: U1.G14 v1(48,69)
  In3.Cu w0.114: v1(21.67,80.29) 21.43,80.29 21.09,79.96 20.51,79.96 19.78,80.69 10.27,80.69 9.91,80.33 9.15,80.33 8.16,81.32 8.06,81.32 arc(7.93,81.27) 7.88,81.14 7.88,80.81 arc(7.83,80.69) 7.71,80.64 arc(7.58,80.69) 7.53,80.81 7.53,81.14 arc(7.48,81.27) 7.36,81.32 7.05,81.32 v1(6.92,81.18)
  In5.Cu w0.1: v1(48,69) 47.6,68.6 43.69,68.6 43.19,69.1 33.45,69.1 33.41,69.14